# Altium PCB BEE_BOARD.PcbDoc (part 2 of 3) (continued)
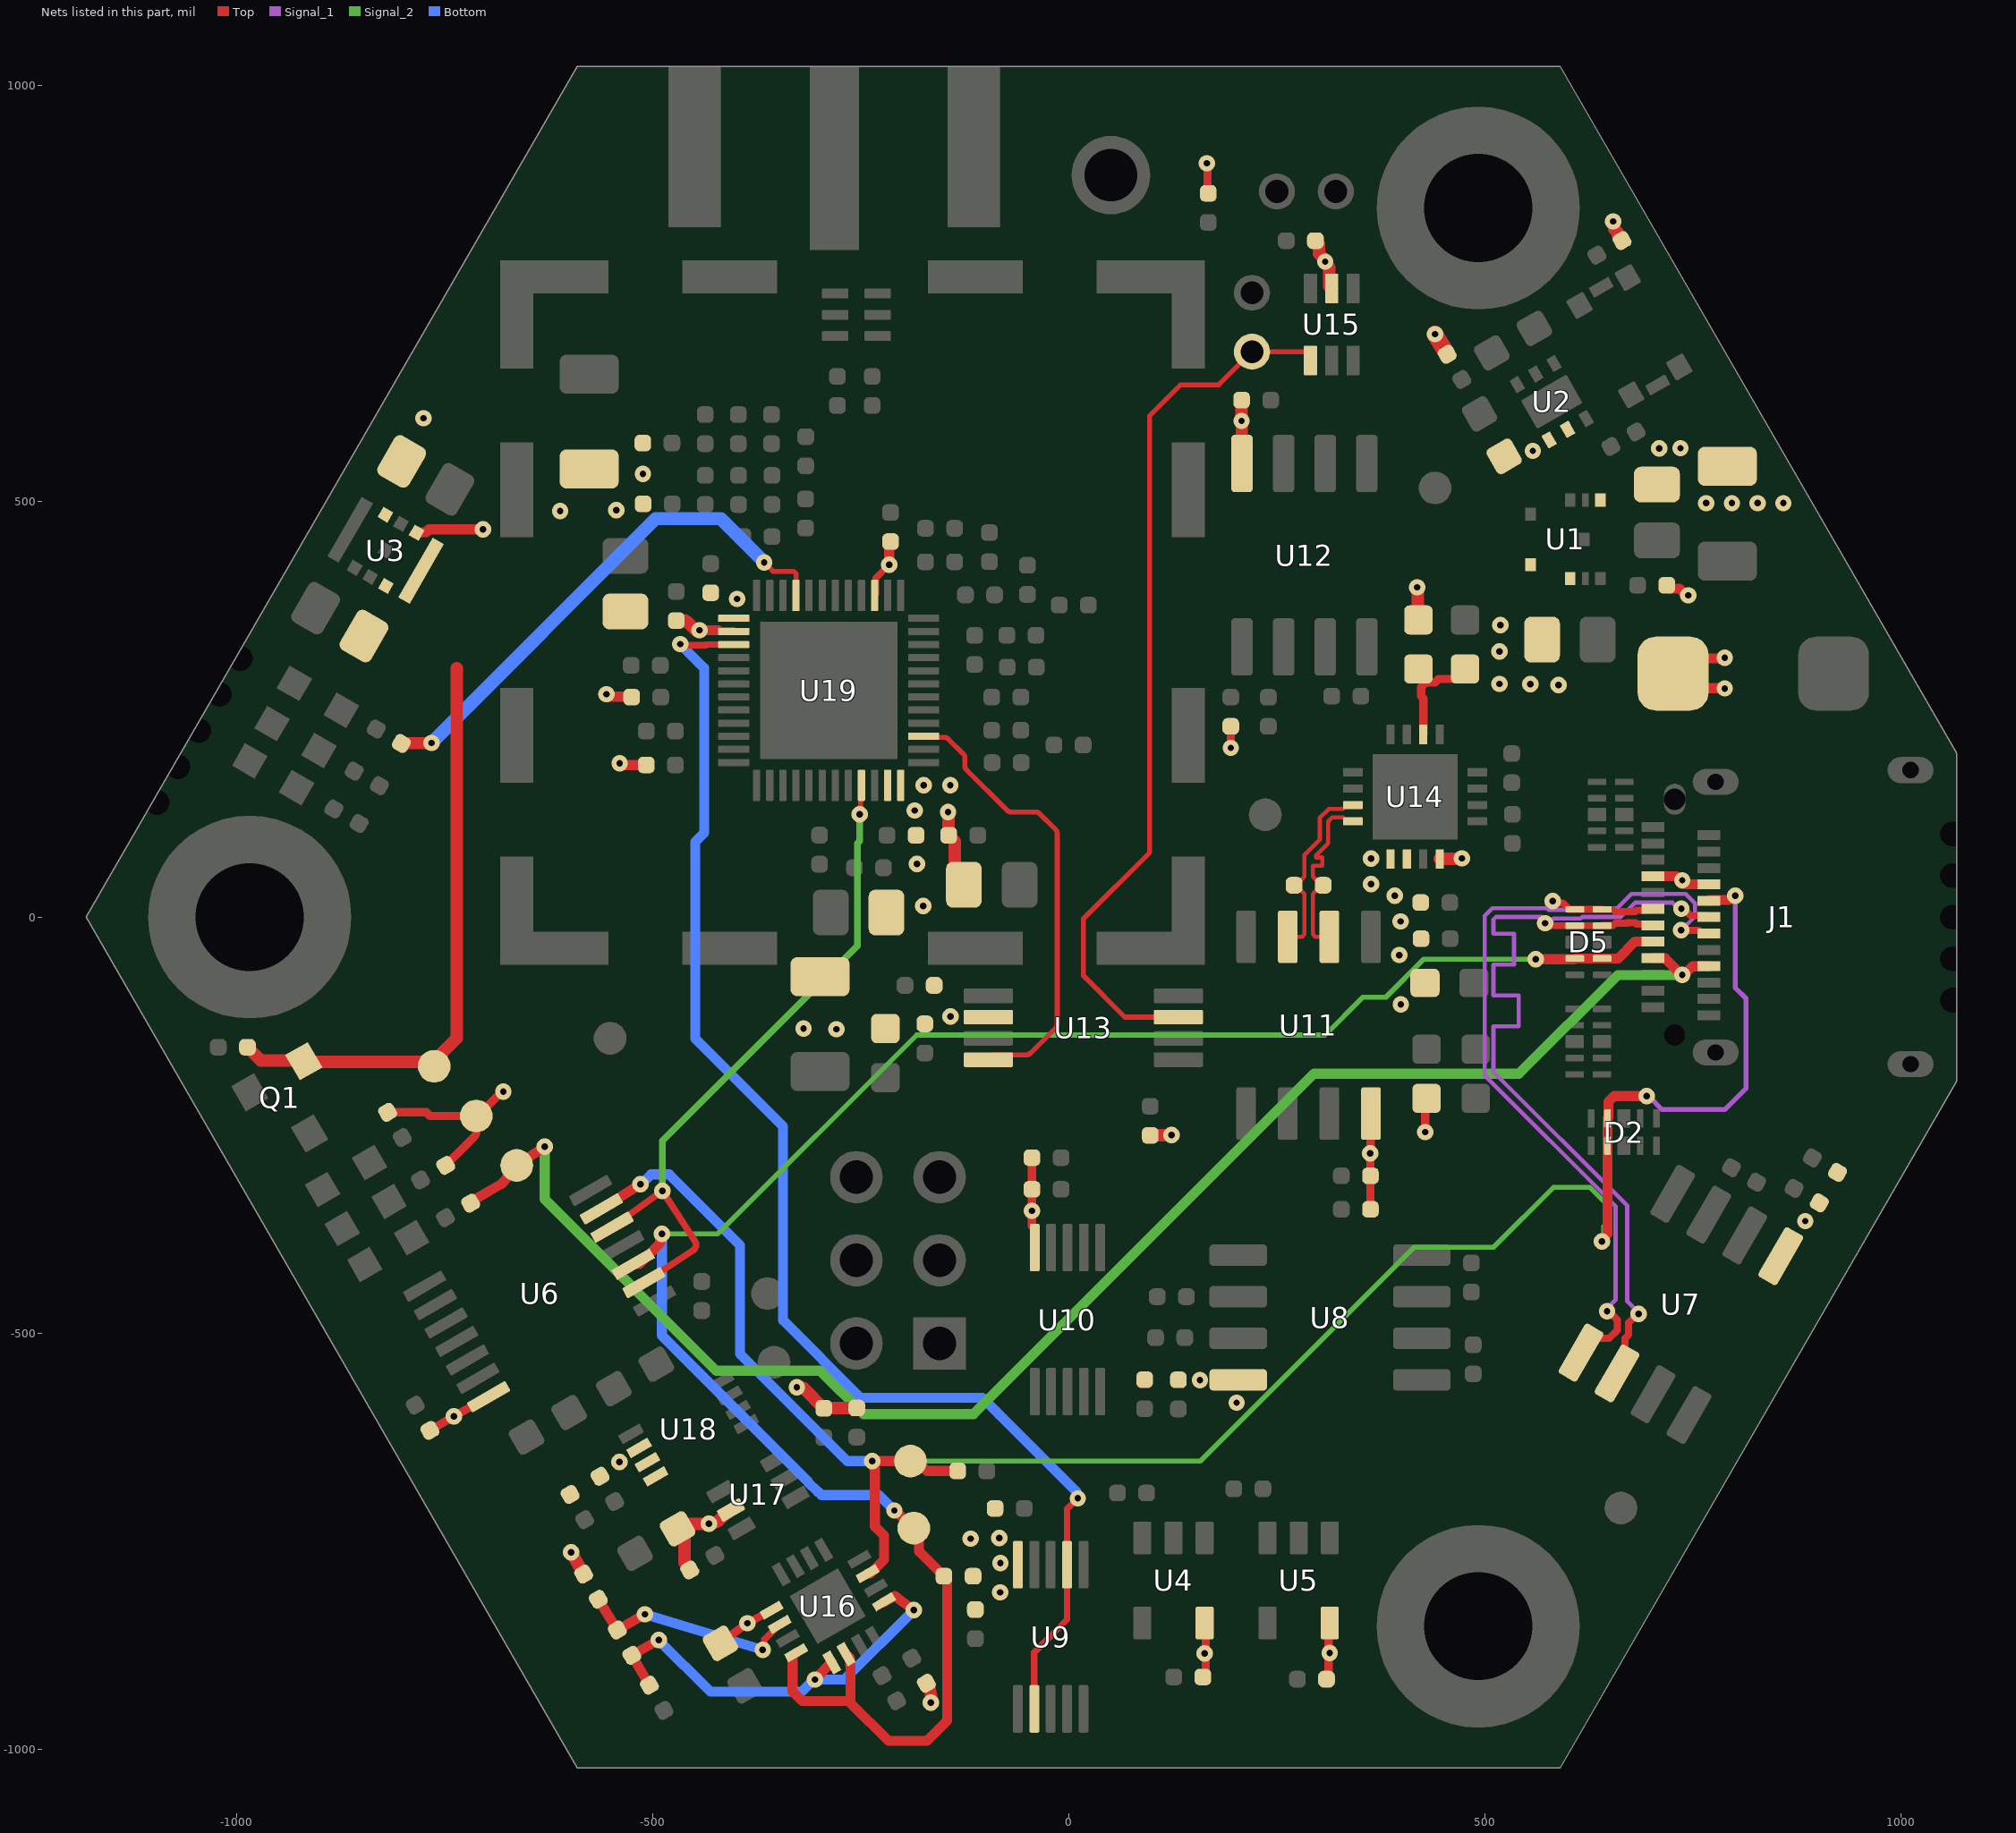
[diagram p8: the nets of this part, all layers, seen from the top]
## Part data (continued)
R36: library part RES_RC0402FR-0716KL, "RES - 16k OHM 1% 1/16W - 0402", Manufacturer #1=Yageo, Package=0402, Power Max=1/16W, Supplier Part Number 1=311-16.0KLRCT-ND, Temperature="-55°C ~ 155°C", Tolerance=1%, Voltage Rating=50V, Assembly Type=SMD, CreatedBy/Date="Nicolas Roy/18 oct. 2018", Cryo=UNKNOWN, GRAMS Lib Spec=2.8, HelpURL=http://www.yageo.com/documents/recent/PYu-RC_Group_51_RoHS_L_9.pdf, Magnetic Material=Unknown, Part Number #1=RC0402FR-0716KL, Polarized=NO, Supplier 1=Digi-Key, VerifiedBy="Caroline Paulin - 18/12/2018"
R37: library part RES_RC0402FR-07270RL, "RES - 270R 1% 1/16W - 0402", Manufacturer #1=Yageo, Package=0402, Power Max=1/16W, Supplier Part Number 1=311-270LRCT-ND, Temperature="-55°C ~ 155°C", Tolerance=1%, Voltage Rating=50V, Assembly Type=SMD, CreatedBy/Date="Philippe Arsenault 2020-07-24", GRAMS Lib Spec=2.8c, HelpURL=https://www.yageo.com/upload/media/product/productsearch/datasheet/rchip/PYu-RC_Group_51_RoHS_L_10.pdf, Magnetic Material=Unknown, Part Number #1=RC0402FR-07270RL, Polarized=No, Supplier 1=Digi-Key, VerifiedBy="Louis-Daniel Gaulin / 03-10-2020"
RF1: library part RF_SH_BASE_36103205S, "RF_SH -  BASE RF SHIELD 0.787\" X 0.787\" SMD", Manufacturer #1="Würth Elektronik", Supplier Part Number 1=732-11540-1-ND, Temperature="-40°C ~ 125°C", Assembly Type=SMD, CreatedBy/Date="Philippe Arsenault/2021-04-17", GRAMS Lib Spec=2.8, HelpURL=https://www.we-online.de/katalog/datasheet/36903205S.pdf, Magnetic Material=Unknown, Note="Buy with 36003200S", Part Number #1=36103205S, Polarized=No, Supplier 1=Digi-Key, VerifiedBy="Louis-Daniel Gaulin / 29-04-2021"
S1: library part SWI_TACT_435171014816, "SWI - SWITCH TACTILE SPST-NO 0.05A 12V -SMD", Current Rating=50mA, Manufacturer #1="Würth Elektronik", Package=SMD, Supplier Part Number 1=732-435171014816CT-ND, Temperature="-40°C ~ 85°C", Voltage Rating=12VDC, Assembly Type=SMD, CreatedBy/Date="Hubert Dube - 22/07/20", Cryo=UNKNOWN, GRAMS Lib Spec=2.8, HelpURL=https://www.we-online.com/catalog/datasheet/435171014816.pdf, Magnetic Material=UNKNOWN, Part Number #1=435171014816, Polarized=No, Supplier 1=Digi-Key, VerifiedBy="Louis-Daniel Gaulin / 12-11-2020"
T1: library part XFR_HHM1595A1, "XFR - Imp Unbalaced/Balanced 50/100 3-8GHz  -SMD", Manufacturer #1=TDK, Package=0805, Supplier Part Number 1=445-3387-1-ND, Temperature="-40°C ~ 85°C", Assembly Type=MT, CreatedBy/Date="Philippe Arsenault/2020-21-07", GRAMS Lib Spec=2.8, HelpURL=https://product.tdk.com/info/en/documents/data_sheet/rf_balun_hhm1595a1_en.pdf, Magnetic Material=Unknown, Part Number #1=HHM1595A1, Polarized=Yes, Supplier 1=Digi-Key, VerifiedBy="Louis-Daniel Gaulin / 03-10-2020"
U1: library part REG_SWR_XCL214B333DR, "REG_DC DC CONVERTER 3.3V 5W_9-PowerTFQFN", Current Rating=1.5A, Manufacturer #1="Torex Semiconductor Ltd", Package=9-PowerTFQFN, Supplier Part Number 1=893-1218-1-ND, Temperature="-40°C ~ 105°C", Voltage Rating="2.7V to 5.5V IN", Assembly Type=SMD, CreatedBy/Date="Louis-Daniel Gaulin / 21-07-2020", Cryo=UNKNOWN, GRAMS Lib Spec=2.8, HelpURL=https://www.torexsemi.com/file/xcl213/XCL213-XCL214.pdf, Magnetic Material=Unknown, Part Number #1=XCL214B333DR, Polarized=Yes, Supplier 1=Digi-Key, VerifiedBy="Philippe Arsenault/2020-11-06"
U2: library part POW_TPS3808G33DRVR, "POW - Programmable-Delay Supervisory Circuit Open Drain - 6WSON", Current Rating=2.4uA, Manufacturer #1="Texas Instruments", Package=6-WSON, Supplier Part Number 1=296-36792-1-ND, Temperature="-40°C ~ 125°C", Voltage Rating="1.7V ~ 6.5V (VDD); 3.07V TH", Assembly Type=SMD, CreatedBy/Date="Philippe Arsenault/2021-04-19", Cryo=UNKNOWN, GRAMS Lib Spec=2.8, HelpURL=http://www.ti.com/lit/ds/symlink/tps3808.pdf, Magnetic Material=Unknown, Part Number #1=TPS3808G33DRVR, Polarized=Yes, Supplier 1=Digi-Key, VerifiedBy="Louis-Daniel Gaulin / 29-04-2021"
U3: library part REG_SWR_MYRGP180100W21RA, "REG_DC DC CONVERTER 1.8V 1.8W_8-PowerTDFN", Current Rating=1A, Manufacturer #1="Murata Power Solutions Inc.", Package=8-PowerTDFN, Supplier Part Number 1=811-MYRGP180100W21RACT-ND, Temperature=-40°C~105°C, Voltage Rating="2.5V to 5.5V IN", Assembly Type=SMD, CreatedBy/Date="Louis-Daniel Gaulin / 21-07-2020", Cryo=UNKNOWN, GRAMS Lib Spec=2.8, HelpURL=https://www.murata.com/products/productdata/8807036026910/MYRGP-b-w.pdf?1583754814000, Magnetic Material=Unknown, Part Number #1=MYRGP180100W21RA, Polarized=Yes, Supplier 1=Digi-Key, VerifiedBy="Philippe Arsenault/2020-11-06"
U4 U5: library part LOG_BUF_74AHC1G07GV,125, "LOG_BUF - Buffer non-inverting Open Drain - SC-74A", Current Rating=8mA, Manufacturer #1="Nexperia USA Inc.", Package=SC-74A, Power Max=-, Supplier Part Number 1=1727-6761-1-ND, Temperature="-40°C ~ 125°C (TA)", Voltage Rating="2V ~ 5.5V", Assembly Type=SMD, CreatedBy/Date="Louis-Daniel Gaulin / 07-04-2021", GRAMS Lib Spec=2.8, HelpURL=https://assets.nexperia.com/documents/data-sheet/74AHC1G07.pdf, Magnetic Material=Unknown, Part Number #1=74AHC1G07GV,125, Polarized=Yes, Supplier 1=Digi-Key, VerifiedBy="Philippe Arsenault/2021-04-08"
U6: library part LOG_BUF_74LVC126APW,118, "LOG_BUF - Quad Buffer non-inverting 3-States - 14-TSSOP", Current Rating="100mA (supply) - 24mA (output)", Manufacturer #1="Nexperia USA Inc.", Package=14-TSSOP, Power Max=500mW, Supplier Part Number 1=1727-5979-1-ND, Temperature="-40°C ~ 125°C (TA)", Voltage Rating="1.65V ~ 3.6V", Assembly Type=SMD, CreatedBy/Date="Louis-Daniel Gaulin / 11-04-2021", GRAMS Lib Spec=2.8, HelpURL=https://assets.nexperia.com/documents/data-sheet/74LVC126A.pdf, Magnetic Material=Unknown, Part Number #1=74LVC126APW,118, Polarized=Yes, Supplier 1=Digi-Key, VerifiedBy="Philippe Arsenault/2021-04-14"
U7: library part COM_XCV_FIN1027AMX, "COM_XCV - 3V3 LVCMOS to LVDS, 2 bits, High-SPEED, DIFF driver - SOIC-8", Current Rating=17mA, Manufacturer #1="ON Semiconductor", Package=SOIC-8, Power Max=56mW, Supplier Part Number 1=FIN1027AMXCT-ND, Temperature="-40°C ~ 85°C", Voltage Rating="3V ~ 3.6V", Assembly Type=SMD, CreatedBy/Date="Philippe Arsenault/2021-04-01", GRAMS Lib Spec=2.8, HelpURL=https://www.onsemi.com/pdf/datasheet/fin1027a-d.pdf, Magnetic Material=Unknown, Part Number #1=FIN1027AMX, Polarized=YES, Supplier 1=Digi-Key, VerifiedBy="Louis-Daniel Gaulin - 05/04/2021"
U8 U12: library part COM_XCV_FIN1028MX, "COM_XCV - 3V3 LVDS to LVCMOS, 2 bits, High-SPEED, DIFF receiver - SOIC-8", Current Rating=9mA, Manufacturer #1="ON Semiconductor", Package=SOIC-8, Power Max=30mW, Supplier Part Number 1=FIN1028MXCT-ND, Temperature="-40°C ~ 85°C", Voltage Rating="3V ~ 3.6V", Assembly Type=SMD, CreatedBy/Date="Philippe Arsenault/2021-04-01", GRAMS Lib Spec=2.8, HelpURL=https://www.onsemi.com/pdf/datasheet/fin1028-d.pdf, Magnetic Material=Unknown, Part Number #1=FIN1028MX, Polarized=YES, Supplier 1=Digi-Key, VerifiedBy="Louis-Daniel Gaulin - 05/04/2021"
U9 U10: library part LOG_MUX_TMUX154EDGSR, "LOG_MUX -  SWITCH SPDT DUAL 2:1 - 10-VSSOP", Current Rating=10uA, Manufacturer #1="Texas Instruments", Manufacturer #2=-, Package=10-VSSOP, Power Max=50uW, Supplier Part Number 1=296-48347-1-ND, Temperature="-40°C ~ 85°C", Voltage Rating="3V ~ 4.3V", Assembly Type=SMD, CreatedBy/Date="Louis-Daniel Gaulin / 06-10-2020", GRAMS Lib Spec=2.8C, HelpURL=https://www.ti.com/lit/ds/symlink/tmux154e.pdf?HQS=TI-null-null-digikeymode-df-pf-null-wwe&ts=1602037764538, Magnetic Material=Unknown, Note=-, Part Number #1=TMUX154EDGSR, Part Number #2=-, Polarized=YES, Supplier 1=Digi-Key, Tolerance=-, VerifiedBy="Philippe Arsenault/2020-11-06"
U11: library part TIM_BUF_PI6C49CB01Q3WEX, "TIM_BUF - Clock Translator IC 1:1 LVDS-LVCMOS -  8-SOIC", Current Rating=35mA, Manufacturer #1="Diodes Incorporated", Package=8-SOIC, Power Max=126mW, Supplier Part Number 1=31-PI6C49CB01Q3WEXCT-ND, Temperature="-40 to 85°C", Voltage Rating="2.375V ~ 2.625V, 3V ~ 3.6V", Assembly Type=SMD, CreatedBy/Date="Philippe Arsenault/2021-03-26", GRAMS Lib Spec=2.7, HelpURL=https://www.diodes.com/assets/Datasheets/PI6C49CB01Q.pdf, Magnetic Material=Unknown, Part Number #1=PI6C49CB01Q3WEX, Polarized=Yes, Supplier 1=Digi-Key, VerifiedBy="Louis-Daniel Gaulin - 05/04/2021"
U13: library part COM_BUF_LMK1C1102PWR, "COM - BUF - Clock buffer 3V3, 2V5, 1V8 2 Channel - TSSOP 8", Current Rating="Input +-20mA ; Output +- 50mA", Manufacturer #1="Texas Instruments", Package="TSSOP 8 pin", Power Max=132mW, Supplier Part Number 1=296-LMK1C1102PWRCT-ND, Temperature="–40°C to 125°C", Voltage Rating="1.71V ~ 1.89V, 2.375V ~ 2.625V, 3.135V ~ 3.465V", Assembly Type=SMT, CreatedBy/Date="Philippe Arsenault/20-07-2020", Cryo=No, GRAMS Lib Spec=2.8, HelpURL=https://www.ti.com/lit/ds/symlink/lmk1c1102.pdf?ts=1595262014854&ref_url=https%253A%252F%252Fwww.ti.com%252Fproduct%252FLMK1C1102%253Futm_source%253Dgoogle%2526utm_medium%253Dcpc%2526utm_campaign%253Dasc-null-null-GPN_EN-cpc-pf-google-wwe%2526utm_content%253DLMK1C1102%2526ds_k%253DLMK1C1102%2526DCM%253Dyes%2526gclid%253DCjwKCAjwgdX4BRB_EiwAg8O8HUIvo-ksMfq8YInqTklLXWuMoCGXxsnhq04Fqr4kdDFQPSc0fYG9iRoCPvAQAvD_BwE%2526gclsrc%253Daw.ds, Magnetic Material=Unknown, Part Number #1=LMK1C1102PWR, Polarized=Yes, Supplier 1=Digi-Key, VerifiedBy="Louis-Daniel Gaulin / 23-07-2020"
U14: library part TIM_MUX_DS25CP102TSQ/NOPB, "TIM_MUX - Crosspoint Switch 1 x 2:2 3.125Gbps - 16-WQFN (4x4)", Current Rating=90mA, Manufacturer #1="Texas Instrument", Package=16-WQFN, Power Max=180mW, Supplier Part Number 1=DS25CP102TSQ/NOPBCT-ND, Temperature="-40°C ~ 85°C", Voltage Rating="3V ~ 3.6V", Assembly Type=SMD, CreatedBy/Date="Philippe Arsenault/2021-04-01", GRAMS Lib Spec=2.8, HelpURL=https://www.ti.com/lit/ds/symlink/ds25cp102.pdf?HQS=dis-dk-null-digikeymode-dsf-pf-null-wwe&ts=1617306001217, Magnetic Material=UNKNOWN, Part Number #1=DS25CP102TSQ/NOPB, Polarized=YES, Supplier 1=Digi-Key, VerifiedBy="Louis-Daniel Gaulin / 08-04-2021"
U15: library part LOG_FLIPFLOP_SN74LVC1G175DCKT, "LOG_FLIPFLOP - Single D flip-flop with Asynchronous clear - SOT-363", Current Rating=100mA, Manufacturer #1="Texas Instruments", Package=SOT-363, Part Number #1=SN74LVC1G175DCKR, Supplier Part Number 1=296-16998-1-ND, Temperature="-40°C ~ 125°C", Voltage Rating="1.65V ~ 5.5V", Assembly Type=SMD, CreatedBy/Date="Philippe Arsenault/21-07-2020", Cryo=No, GRAMS Lib Spec=2.8, HelpURL=https://www.ti.com/lit/ds/symlink/sn74lvc1g175.pdf?ts=1594769483993&ref_url=https%253A%252F%252Fwww.google.com%252F, Magnetic Material=Unknown, Polarized=Yes, Supplier 1=Digi-Key, VerifiedBy="Louis-Daniel Gaulin / 03-10-2020"
U16: library part CMP_LM339LVRTER, "COMP - Quad Comparator General Purpose Open-Drain, Rail-to-Rail - 16-WQFN (3x3)", Current Rating="100mA@5V (SC)", Manufacturer #1="Texas instrument", Package="16-WFQFN Exposed Pad", Power Max=-, Supplier Part Number 1=296-LM339LVRTERCT-ND, Temperature="-40°C ~ 125°C (TA)", Voltage Rating="1.65V ~ 5.5V", Assembly Type=SMD, CreatedBy/Date="Philippe Arsenault/2021-04-10", GRAMS Lib Spec=2.8, HelpURL=https://www.ti.com/lit/ds/symlink/lm339lv.pdf?ts=1618013735062, Magnetic Material=Unknown, Part Number #1=LM339LVRTER, Polarized=Yes, Supplier 1=Digi-Key, VerifiedBy="Louis-Daniel Gaulin / 14-04-2021"
U17: library part LOG_XOR_74LVC1G386GW,125, "LOG -  XOR (Exclusive OR) IC 1 Channel 3 inputs- 6-TSSOP", Current Rating="100mA (supply) , 50mA (out)", Manufacturer #1="Nexperia USA Inc.", Package=6-TSSOP, Power Max=250mW, Supplier Part Number 1=1727-6982-1-ND, Temperature="-40°C ~ 125°C (TA)", Voltage Rating="1.65V ~ 5.5V", Assembly Type=SMD, CreatedBy/Date="Philippe Arsenault/2021-04-10", GRAMS Lib Spec=2.8, HelpURL=https://assets.nexperia.com/documents/data-sheet/74LVC1G386.pdf, Magnetic Material=Unknown, Part Number #1=74LVC1G386GW,125, Polarized=Yes, Supplier 1=Digi-Key, VerifiedBy="Louis-Daniel Gaulin / 14-04-2021"
U18: library part LOG_FLIPFLOP_74LVC1G74DC,125, "LOG_FLIPFLOP - D-Type Flip Flop Bit Positive Edge with asynchronous operation - 8-VSSOP", Current Rating="32mA output", Manufacturer #1="Nexperia USA Inc.", Package=VSSOP-8, Power Max=300mW, Supplier Part Number 1=1727-4029-1-ND, Temperature="-40°C ~ 125°C (TA)", Voltage Rating="1.65V ~ 5.5V", Assembly Type=SMD, CreatedBy/Date="Philippe Arsenault/2021-04-14", GRAMS Lib Spec=2.8, HelpURL=https://assets.nexperia.com/documents/data-sheet/74LVC1G74.pdf, Magnetic Material=Unknown, Part Number #1=74LVC1G74DC,125, Polarized=Yes, Supplier 1=Digi-Key, VerifiedBy="Louis-Daniel Gaulin / 16-04-2021"
U19: library part COM_XCV_DW1000-I-TR13, "COM - IC RF TxRx 802.15.4 IR-UWB DECAWAVE - 48-VFQFN EP", Current Rating="Rx 64mA/Tx 31mA", Manufacturer #1=Decawave, Manufacturer #2=Qorvo, Package="QFN 48", Supplier Part Number 1=1479-1001-1-ND, Temperature="-40°C ~ 85°C", Voltage Rating="2.8 - 3.6 V", Assembly Type=SMT, CreatedBy/Date="Philippe Arsenault/13-07-2020", Cryo=No, GRAMS Lib Spec=2.8, HelpURL=https://www.decawave.com/sites/default/files/resources/DW1000-Datasheet-V2.12.pdf, Magnetic Material=Unknown, Part Number #1=DW1000-I-TR13, Polarized=Yes, Supplier 1=Digi-Key

## Via types
v1: diameter 19.68, hole 7.87, Top to Bottom, tented both sides, 276 vias
v2: diameter 19.68, hole 9.84, Top to Bottom, tented both sides, 16 vias
v3: diameter 19.68, hole 7.87, Top to Bottom, tented top, 3 vias

## Nets (pads, with @x,y where several pads share a name; then routed paths per layer and width w, separated by ;. In a path a pad name is that pad's centre, name@x,y a point inside that pad or via, vN(x,y) a via of type N, cw(c..) or ccw(c..) an arc to the next point about the centre after c; other vN are vias at no path point)
0V825_REF: R30.1 R31.2 U16.5 U16.9 | length 524.4
  Top w12: R31.2@-503.93,-923.32 R30.1@-525.07,-887.37 v1(-492.72,-869.02) ; v1(-304.87,-916.56) -304.87,-916.06 U16.5@-284.63,-895.82 ; U16.9@-221.96,-823.27 -208.87,-815.92 v1(-186.17,-833.03)
  Bottom w12: v1(-492.72,-869.02) -430.57,-931.17 -321.04,-931.17 -306.42,-916.56 v1(-304.87,-916.56) -269.69,-916.56 v1(-186.17,-833.03)
1V8: 1V8.1 C8.2 C39.2 C43.2 C62.2 C66.2 Q1.1 R3.1 U3.3 U3.8 U19.26 U19.48 | length 895.9
  Top w10: U19.26@-419.79,343.78 U19.26@-402.92,343.78
  Top w12: C8.2@-836.14,350.93 C8.2@-836.14,353.12 ; v1(-443.64,344.87) U19.26@-420.88,344.87
  Top w15: R3.1@-987.07,-156.35 -971.22,-172.2 -920.38,-172.2 Q1.1@-919.39,-173.19 -918.41,-174.17 -774.31,-174.17 -773.88,-174.61 -767.28,-174.61 1V8.1@-762.62,-179.27 -762.62,-172.68 -735.26,-145.32 -735.26,299.43 ; C66.2@-471.64,356.53 -461.39,356.53 -459.96,355.1 -458.55,355.1 -448.32,344.87 v1(-443.64,344.87) ; v1@-144.98,128.92 v1(-144.98,126.3) -144.62,125.94 -144.62,98.68 C43.2@-144.25,98.31 -137.08,91.14 -137.08,59.14 -123.58,45.64 C39.2@-118.47,45.64
  other v1: -174.35,158.59 -142.36,158.59
2V475_REF: R29.1 R30.2 U16.2 | length 268.6
  Top w8: v1(-367.73,-880.67) -365.87,-878.81 -365.87,-868.64 U16.2@-347.34,-850.2 U16.2@-347.34,-850.2
  Top w12: R29.1@-565.45,-820.05 R30.2@-542.57,-857.06 v1(-509.46,-838.06)
  Bottom w12: v1(-509.46,-838.06) v1(-367.73,-880.67)
3V3: 3V3.1 C4.1 C5.2 C7.2 C9.2 C10.2 C11.2 C12.1 C13.2 C14.2 C15.2 C16.2 C17.2 C21.2 C22.2 C23.2 C24.1 C25.2 C26.2 C27.1 C28.2 C29.2 C30.2 C31.1 C32.1 C33.1 C34.2 C35.2 C36.2 C40.2 C41.2 C45.2 C47.2 C49.2 L1.1 L2.1 R2.2 R4.1 R13.2 R15.2 R19.2 R23.2 R24.2 R25.2 R28.2 R29.2 R38.1 R39.1 R40.2 R41.2 R42.2 R44.2 R45.2 R46.2 U1.4 U1.9 U2.1 U2.2 U3.4 U3.6 U4.5 U5.5 U6.14 U7.1 U8.8 U9.10 U10.10 U11.8 U12.8 U13.6 U14.13 U14.14 U14.16 U15.5 U16.1 U17.5 U18.6 U18.7 U18.8 U19.15 U19.25 U19.47 | length 1619.2
  Top w6: U19.15@-233.3,386.76 U19.15@-231.97,388.09 ; v1@-215.96,423.6 v1(-215.68,423.6) ; C47.2@-215.68,445.2 -211.75,449.13 C47.2@-214.07,451.45
  Top w8: U19.15@-231.97,388.09 -231.97,407.59 v1@-215.96,423.6
  Top w10: R4.1@-818.58,-234.62 -772.02,-234.62 -767.58,-239.06 3V3.1@-711.99,-239.06 ; C12.1@-767.83,-617.04 v1(-738.96,-600.14) U6.14@-697.17,-576.59 ; R2.2@-748.79,-298.43 -714.9,-264.54 ccw(c-721.99,-257.49) -711.99,-257.49 3V3.1@-711.99,-239.06 ; v1(-679.54,-209.76) -681.11,-209.76 -710.41,-239.06 3V3.1@-711.99,-239.06 ; C32.1@-418.61,-873.03 v1(-386.11,-848.74) U16.1@-357.19,-833.15 ; C21.2@-44.21,-289.2 C17.2@-44.21,-327.14 v1(-44.21,-353.02) -44.21,-371.28 -40.86,-374.63 U10.10@-40.86,-397.27 ; R23.2@97.95,-262.36 R23.2@97.95,-262.36 R23.2@98.18,-262.13 ; v1@123.41,-262.13 v1(123.64,-261.91) ; C10.2@161.2,-913.46 164.7,-909.96 164.7,-886.37 v1(163.38,-885.04) ; U4.5@163.35,-848.6 164.7,-849.95 v1@164.7,-885.04 ; v1(166.11,906.24) 166.94,905.41 166.94,871 R24.2@167.77,870.18 ; v1(194.8,203.44) R19.2@194.79,229.4 ; C9.2@310.63,-911.05 312.23,-909.46 312.23,-850.19 U5.5@313.82,-848.6 ; C22.2@362.67,-351.28 C23.2@362.67,-310.99 362.55,-310.86 362.55,-284.25 v1(362.42,-284.12) 362.87,-283.67 362.87,-236.67 U11.8@363.32,-236.22 ; v1(418.75,396.48) v1@419.51,395.72 ; R15.2@419.51,358.02 R15.2@420.28,357.26 ; v1(428.6,-258.42) 428.6,-219.41 R13.2@430.12,-217.89 ; R42.2@454.84,676.62 R42.2@454.84,681.16 ; C5.2@567.51,332.31 C5.2@568.86,333.66
  Top w12: U3.4@-783.75,462.19 -783.29,462.65 -772.16,462.65 -768.63,466.18 v1(-704.11,466.18) ; v1@-556.34,265.08 -525.86,265.08 R38.1@-525.24,264.46 ; v1(-555.54,267.95) v1@-554.93,267.33 ; v1@-541.11,182.83 -507.88,182.83 R39.1@-507.74,182.96 ; v1(-215.68,423.6) C47.2@-215.68,445.2
  Top w15: v1(-597.88,-763.58) R29.2@-582.95,-789.74 ; R44.2@-455.47,-784.84 -455.47,-781.72 -461.5,-775.69 -461.5,-739.78 -455.1,-733.38 -455.1,-730.1 -454.53,-729.53 -432.52,-729.53 v1(-432.33,-729.33) ; v1@-432.33,-730.6 v1(-432.33,-729.33) ; U17.5@-405.88,-712.78 -412.83,-717.23 -412.06,-716.78 cw(c-423.43,-707) -412.78,-717.56 -419.27,-724.05 cw(c-429.87,-713.44) -426.94,-728.15 -429.84,-728.73 ccw(c-426.91,-743.44) -430.56,-728.89 v1(-432.33,-729.33) ; v3(-326.79,-565.17) -325.89,-566.07 -318.74,-566.07 R45.2@-294.32,-590.49 -294.14,-590.31 -254.87,-590.31 R46.2@-254.69,-590.13 ; R28.2@-171.12,-921.04 -169.18,-923.86 cw(c-181.53,-932.37) -166.91,-929.03 -163.47,-944.11 -163.53,-944.16 v1(-165.79,-944.16) ; R23.2@98.18,-262.13 v1@123.41,-262.13 ; C25.2@207.86,621.61 207.82,621.56 v1(207.77,596.54) v1(207.77,596.54) 208.02,596.29 208.02,545.52 U12.8@208.27,545.28 ; C31.1@296.48,813.21 300.86,808.83 300.86,797.48 308.2,790.14 v1(308.2,788.05) 308.2,785.96 313.29,780.87 313.29,758.65 U15.5@316.16,755.78 ; R15.2@419.51,358.02 v1@419.51,395.72 ; U14.16@445.87,69.88 445.87,70.2 445.94,70.28 472.22,70.28 v1(472.62,70.68) ; v1(654.41,836.48) 655.88,835 655.88,827.04 660.03,822.9 660.03,819.63 665.07,814.58 R40.2@665.07,813.31
  Top w20: v1(440.26,700.95) R42.2@454.84,676.62
  other v1: 313.72,-884.61 -82.29,-811.82 -82.19,-776.58 -118.01,-747.19 -83.37,-746.38 -539.86,-655.13 201.82,-583.75 157.69,-556.74 885.17,-365.4 -279.11,-134.8 -318.69,-133.91 -142.17,-119.37 399.08,-104.93 397.42,-45.58 398.92,-5.07 -174.87,13.37 391.81,25.84 363.32,39.74 -182.43,63.98 363.32,70.28 -185.18,128.11 -539.7,185.08 588.75,278.88 517.68,280.46 554.95,280.21 517.68,319.49 518.78,351.19 -398.66,382.57 -611.25,488.32 -543.82,489.42 -511.8,532.89 557.82,560.58 -775.47,599.77
5V: 5V.1 C1.2 C3.2 D1.1 J1.A4 J1.A9 J1.B4 J1.B9 R1.2 R43.2 U1.1 | length 2198.8
  Top w12: R1.2@-718.81,-343.81 -716.05,-340.59 -682.42,-321.17 ccw(c-688.42,-310.78) -679,-318.22 5V.1@-663.39,-298.43 v1(-629.77,-276) ; J1.A4@702.36,-49.21 702.46,-49.31 716.6,-49.31 736.79,-69.5 v1(737.4,-69.5) 739.48,-69.5 749.83,-59.15 769.2,-59.15 J1.B9@769.29,-59.06 ; J1.A9@702.36,49.21 702.46,49.12 730.44,49.12 735.32,44.24 v1(737.4,44.24) ; D1.1@718.81,300.31 D1.1@726.38,292.74 ; R43.2@718.81,398.94 722.81,394.94 734.34,394.94 742.52,386.76 v1(744.6,386.76) ; v1@737.51,39.37 J1.B4@769.29,39.37 ; v1(788.48,274.91) 788.18,275.21 743.91,275.21 D1.1@726.38,292.74 ; v1(788.48,311.96) 787.49,310.96 744.6,310.96 D1.1@726.38,292.74
  Signal_2 w12: v1(-629.77,-276) -629.77,-339.15 -423.59,-545.33 -298.66,-545.33 -246.61,-597.38 -114.34,-597.38 294.86,-188.17 541.11,-188.17 659.79,-69.5 v1(737.4,-69.5)
  other v1: 766.09,497.72 797,497.72 827.91,497.72 858.83,497.72 709.75,563.41 735.3,563.81
BB_CLK: CLK.2 U13.3 U15.1 | length 1074.2
  Top w6: U13.3@131.81,-120.22 67.46,-120.22 17.63,-70.39 17.63,-1.85 97.33,77.85 97.33,602.81 134.43,639.9 180.4,639.9 CLK.2@220.28,679.78 286.2,679.78 290.57,675.4 U15.1@290.57,669.16
CC1: CC1.1 D5.2 D5.9 J1.A5 R25.1 U6.3 U16.4 U16.6 | length 2491
  Top w12: U6.3@-523.3,-417.1 -516.1,-417.1 -491.13,-392.14 -491.13,-383.03 v1(-488.89,-380.79) ; U16.4@-327.66,-884.29 -331.79,-888.43 -331.79,-930.9 -320.2,-942.49 -264.42,-942.49 -262.07,-944.85 ; U16.6@-267.59,-885.98 -262.65,-890.91 -262.65,-899.07 -262.07,-899.65 -262.07,-944.85 ; v1(-209.55,-713.37) -208.41,-713.37 -187.31,-734.47 CC1.1@-186.17,-734.47 -179.78,-740.86 -179.78,-762.45 -145.95,-796.28 -145.95,-966.08 -170.29,-990.42 -216.5,-990.42 -262.07,-944.85 ; v1(561.25,-50.54) 607.41,-50.54 D5.9@608.3,-49.65 D5.2@641.18,-49.65 660.34,-49.65 680.46,-29.53 J1.A5@702.36,-29.53
  Signal_2 w6: v1(-488.89,-380.79) -421.9,-380.79 -182.84,-141.73 308.13,-141.73 353.6,-96.26 381.1,-96.26 426.83,-50.54 v1(561.25,-50.54)
  Bottom w12: v1(-488.89,-380.79) -488.89,-502.89 -313.14,-678.64 -313.14,-679.35 -301.52,-690.97 -300.81,-690.97 -297.05,-694.73 -228.18,-694.73 v1(-209.55,-713.37)
CC2: CC2.1 D2.4 D2.7 J1.B5 R26.2 U6.6 U16.11 | length 2520.2
  Top w12: U6.6@-561.69,-350.62 v1(-514.68,-320.94) ; U16.11@-241.65,-789.17 -238.62,-789.17 -221.96,-772.51 -221.96,-743.5 -232.85,-732.62 -232.85,-662.77 -234.77,-660.85 -234.77,-655.42 v1(-236.24,-653.95) CC2.1@-190.2,-653.95 -182.25,-653.95 -170.39,-665.81 R26.2@-133.35,-665.81 -133.35,-666.35 R26.2@-132.81,-666.89 ; v3(640.98,-389.97) 640.98,-387.35 647.49,-380.85 D2.7@647.49,-274.86 D2.4@647.49,-241.98 648.55,-240.92 648.55,-222.08 655.58,-215.05 v1(694.49,-215.05) ; J1.B5@769.29,19.68 770.2,20.59 793.26,20.59 798.38,25.71 v1(801.01,25.71)
  Signal_1 w6: v1(694.49,-215.05) 696.87,-215.05 713.24,-231.42 788.48,-231.42 814.12,-205.79 814.12,-97.9 801.01,-84.79 v1(801.01,25.71)
  Signal_2 w6: v1(-236.24,-653.95) 158.27,-653.95 415.37,-396.85 510.65,-396.85 582.61,-324.88 626.57,-324.88 645.41,-343.72 645.41,-369.1 642.84,-371.67 642.84,-388.12 v3(640.98,-389.97)
  Bottom w12: v1(-514.68,-320.94) -513.59,-320.94 -501.95,-309.3 -480.14,-309.3 -395.02,-394.43 -395.02,-525.01 -266.08,-653.95 v1(-236.24,-653.95)
CLK_BB_LVDS_N: R17.1 U11.3 U14.11 | length 225.8
  Top w5: U11.3@263.32,-23.62 280.39,-23.62 283.32,-20.69 283.32,6.49 283.39,6.56 283.39,27.96 280.46,30.89 280.28,30.89 R17.1@272.78,38.39 ; R17.1@270.89,38.39 R17.1@272.78,38.39 ; U14.11@341.54,134.84 334.65,134.84 329.8,130 322.22,130 312.63,130 301.78,119.14 301.78,92.96 283.39,74.57 283.39,48.81 280.46,45.89 280.28,45.89 R17.1@272.78,38.39
CLK_BB_LVDS_P: R17.2 U11.2 U14.12 | length 225.8
  Top w5: R17.2@305.89,38.39 R17.2@303.99,38.39 ; U11.2@313.32,-23.62 296.25,-23.62 293.32,-20.69 293.32,2.35 293.39,2.42 293.39,27.96 296.31,30.89 296.49,30.89 R17.2@303.99,38.39 ; U14.12@341.54,115.16 334.65,115.16 329.8,120 318.08,120 316.78,120 311.78,115 311.78,88.82 297.6,74.64 297.6,71.71 304.65,71.71 304.65,61.71 293.39,61.71 293.39,49.21 293.39,48.81 296.31,45.89 296.49,45.89 R17.2@303.99,38.39
CLK_OUT: U13.8 U19.3 | length 548.5
  Top w6: U19.3@-174.25,217.47 -172.92,216.14 -149.13,216.14 cw(c-149.13,210.14) -144.92,214.41 -126.47,195.97 cw(c-130.73,191.74) -124.73,191.74 -124.73,181.54 ccw(c-118.73,181.54) -122.99,177.31 -73.81,128.13 ccw(c-69.6,132.4) -69.63,126.4 -39.42,126.4 cw(c-39.42,120.4) -35.2,124.68 -15.57,105.05 cw(c-19.83,100.82) -13.83,100.82 -13.83,-128.91 cw(c-19.83,-128.91) -15.56,-133.12 -46.24,-163.8 cw(c-50.46,-159.54) -50.46,-165.54 -90.68,-165.54 U13.8@-96.54,-171.4
D_N: D5.5 D5.6 J1.A7 J1.B7 U7.5 | length 1112.5
  Top w8.5: v1(581.82,19.22) 583.96,17.08 594.08,17.08 601.75,9.41 D5.5@641.18,9.41 641.49,9.09 654.2,9.09 656.98,6.32 665.05,6.32 665.48,6.75 681.24,6.75 682.68,8.19 700.71,8.19 J1.A7@702.36,9.84 ; U7.5@615.67,-523.54 633.1,-506.11 649.8,-506.11 659.3,-496.61 659.3,-484.33 648.72,-473.75 v1(647.14,-473.75) ; v1(736.16,-15.63) 736.29,-15.76 757.49,-15.76 761.42,-19.69 J1.B7@769.29,-19.69
  Signal_1 w5: v1(647.14,-473.75) 647.14,-469.78 657.33,-459.59 657.33,-347.64 499.95,-190.27 499.95,1.62 509.03,10.69 573.01,10.69 576.88,14.56 576.88,15.35 575.2,17.02 575.2,14.56 575.2,10.26 576.7,8.76 611,8.76 612.93,10.69 659.23,10.69 676.43,27.9 741.52,27.9 752.59,16.82 752.59,0.8 v1(736.16,-15.63)
D_P: D5.4 D5.7 J1.A6 J1.B6 U7.6 | length 1156.4
  Top w8.5: v1(572.69,-7.21) 575.71,-7.21 578.78,-10.28 D5.4@641.18,-10.28 641.49,-9.96 654.2,-9.96 656.98,-7.18 670.64,-7.18 671.08,-6.75 681.24,-6.75 682.68,-8.19 700.71,-8.19 J1.A6@702.36,-9.84 ; U7.6@658.98,-548.54 668.49,-539.03 668.49,-506.51 672.8,-502.21 672.8,-487.63 683.37,-477.06 v1(684.96,-477.06) ; v1(736.25,10.05) 739.28,10.05 747.67,1.66 767.64,1.66 J1.B6@769.29,0
  Signal_1 w5: v1@572.69,-7.42 572.69,-3.83 568.66,0.19 513.38,0.19 510.45,-2.73 510.45,-9.15 510.45,-20.1 535.23,-20.1 535.23,-57.1 510.45,-57.1 510.45,-94.1 540.76,-94.1 540.76,-131.1 510.45,-131.1 510.45,-170.6 510.45,-185.92 671.3,-346.76 671.3,-461.75 684.96,-475.4 v1(684.96,-477.06) ; v1@572.76,-7.58 576.73,-7.58 582.57,-1.74 615.35,-1.74 617.28,0.19 663.58,0.19 680.78,17.4 725.98,17.4 733.32,10.05 v1(736.25,10.05)
DW_IRQ_BB: U6.2 U6.5 U19.45 | length 816.4
  Top w6: v1(-251.35,123.77) -250.2,124.92 -250.2,157.26 U19.45@-249.05,158.41
  Top w8: U6.5@-548.89,-372.78 v1(-488.37,-329.16) -449.24,-389.71 cw(c-455.94,-394.09) -451.57,-400.78 U6.2@-510.51,-439.27
  Signal_2 w8: v1(-488.37,-329.16) -488.37,-269.05 -253.97,-34.66 -253.97,88.58 -251.35,91.2 v1(-251.35,123.77)
DW_RESET_BB: U9.2 U9.7 U19.27 | length 1659.5
  Top w8: v1(-466.94,328.33) -465.64,327.03 -436.25,327.03 -435.57,327.7 U19.27@-402.59,327.7 ; U9.2@-41.34,-951.77 -41.34,-883.89 -1.97,-844.52 U9.7@-1.97,-778.54 -1.97,-711.62 v1(10.95,-698.71)
  Bottom w12: v1(-466.94,328.33) -438.04,299.43 -438.04,101.42 -448.75,90.71 -448.75,-146.07 -343.58,-251.25 -343.58,-484.46 -250.16,-577.88 -103.75,-577.88 -83.37,-598.26 9.86,-691.48 9.86,-697.61 v1(10.95,-698.71)
EQ: R15.1 R16.2 U14.6 | length 137.7
  Top w10: R15.1@419.46,297.3 419.46,296.8 R15.1@431.61,284.64 ; U14.6@426.18,219.49 426.18,262.95 423.51,265.62 423.51,276.54 429.37,282.39 440.5,282.39 444.45,286.34 464.46,286.34 R16.2@476.38,298.26
EXTON: R34.2 U19.21 | length 640.1
  Top w6: v1(-366.06,426.48) -355.27,415.69 -330.53,415.69 -327.36,412.52 -327.36,387.19 U19.21@-327.79,386.76
  Top w15: R34.2@-802.02,208.71 v1(-765.97,209.47)
  Bottom w16: v1(-765.97,209.47) -496.37,479.07 -418.17,479.07 -366.06,426.96 v1(-366.06,426.48)